# KiCad board register-motherboard - Copy.kicad_pcb (continued)
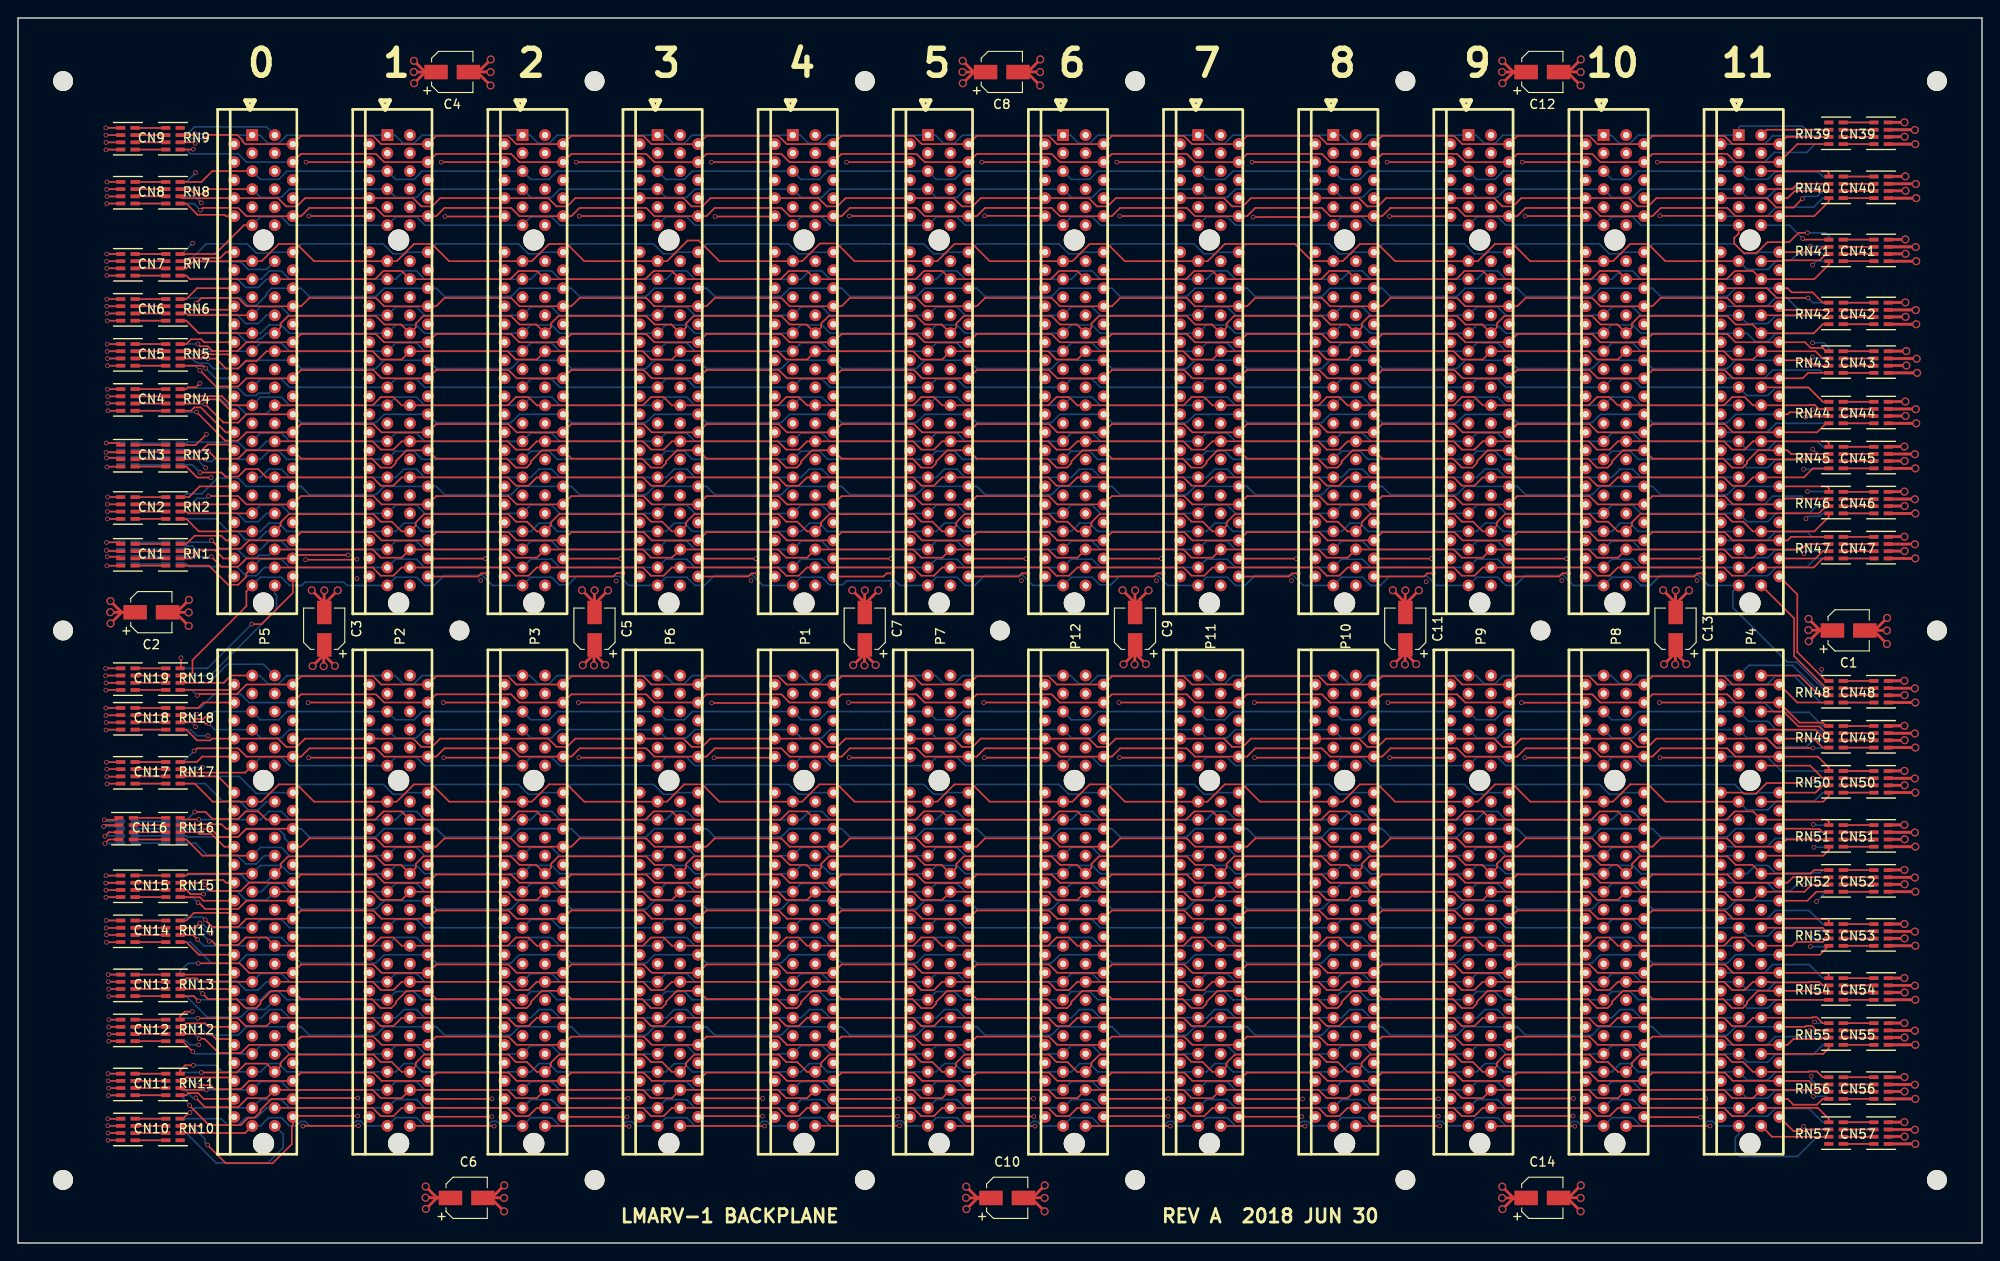
[diagram p0: board, top side]
## Footprints (pads in the part's own frame, mm; a bottom-side part is the same pattern mirrored in y, then rotated)
2pci_express_slot
  round 2.35 hole 2.35 unplated: (0,0) (40.3,0) (60,0) (100.3,0)
  rect 1.3x1.3 hole 0.7: 1(-11.65,-1.25)
  round 1.3 hole 0.7: 2(-10.65,-3.25) 3(-9.65,-1.25) 4(-8.65,-3.25) 5(-7.65,-1.25) 6(-6.65,-3.25) 7(-5.65,-1.25) 8(-4.65,-3.25) 9(-3.65,-1.25) 10(-2.65,-3.25) 11(-1.65,-1.25) 12(1.35,-3.25) 13(2.35,-1.25) 14(3.35,-3.25) 15(4.35,-1.25) 16(5.35,-3.25) 17(6.35,-1.25) 18(7.35,-3.25) 19(8.35,-1.25) 20(9.35,-3.25) 21(10.35,-1.25) 22(11.35,-3.25) 23(12.35,-1.25) 24(13.35,-3.25) 25(14.35,-1.25) 26(15.35,-3.25) 27(16.35,-1.25) 28(17.35,-3.25) 29(18.35,-1.25) 30(19.35,-3.25) 31(20.35,-1.25) 32(21.35,-3.25) 33(22.35,-1.25) 34(23.35,-3.25) 35(24.35,-1.25) 36(25.35,-3.25) 37(26.35,-1.25) 38(27.35,-3.25) 39(28.35,-1.25) 40(29.35,-3.25) 41(30.35,-1.25) 42(31.35,-3.25) 43(32.35,-1.25) 44(33.35,-3.25) 45(34.35,-1.25) 46(35.35,-3.25) 47(36.35,-1.25) 48(37.35,-3.25) 49(38.35,-1.25) 50(48.35,-1.25) 51(49.35,-3.25) 52(50.35,-1.25) 53(51.35,-3.25) 54(52.35,-1.25) 55(53.35,-3.25) 56(54.35,-1.25) 57(55.35,-3.25) 58(56.35,-1.25) 59(57.35,-3.25) 60(58.35,-1.25) 61(61.35,-3.25) 62(62.35,-1.25) 63(63.35,-3.25) 64(64.35,-1.25) 65(65.35,-3.25) 66(66.35,-1.25) 67(67.35,-3.25) 68(68.35,-1.25) 69(69.35,-3.25) 70(70.35,-1.25) 71(71.35,-3.25) 72(72.35,-1.25) 73(73.35,-3.25) 74(74.35,-1.25) 75(75.35,-3.25) 76(76.35,-1.25) 77(77.35,-3.25) 78(78.35,-1.25) 79(79.35,-3.25) 80(80.35,-1.25) 81(81.35,-3.25) 82(82.35,-1.25) 83(83.35,-3.25) 84(84.35,-1.25) 85(85.35,-3.25) 86(86.35,-1.25) 87(87.35,-3.25) 88(88.35,-1.25) 89(89.35,-3.25) 90(90.35,-1.25) 91(91.35,-3.25) 92(92.35,-1.25) 93(93.35,-3.25) 94(94.35,-1.25) 95(95.35,-3.25) 96(96.35,-1.25) 97(97.35,-3.25) 98(98.35,-1.25) 99(-11.65,1.25) 100(-10.65,3.25) 101(-9.65,1.25) 102(-8.65,3.25) 103(-7.65,1.25) 104(-6.65,3.25) 105(-5.65,1.25) 106(-4.65,3.25) 107(-3.65,1.25) 108(-2.65,3.25) 109(-1.65,1.25) 110(1.35,3.25) 111(2.35,1.25) 112(3.35,3.25) 113(4.35,1.25) 114(5.35,3.25) 115(6.35,1.25) 116(7.35,3.25) 117(8.35,1.25) 118(9.35,3.25) 119(10.35,1.25) 120(11.35,3.25) 121(12.35,1.25) 122(13.35,3.25) 123(14.35,1.25) 124(15.35,3.25) 125(16.35,1.25) 126(17.35,3.25) 127(18.35,1.25) 128(19.35,3.25) 129(20.35,1.25) 130(21.35,3.25) 131(22.35,1.25) 132(23.35,3.25) 133(24.35,1.25) 134(25.35,3.25) 135(26.35,1.25) 136(27.35,3.25) 137(28.35,1.25) 138(29.35,3.25) 139(30.35,1.25) 140(31.35,3.25) 141(32.35,1.25) 142(33.35,3.25) 143(34.35,1.25) 144(35.35,3.25) 145(36.35,1.25) 146(37.35,3.25) 147(38.35,1.25) 148(48.35,1.25) 149(49.35,3.25) 150(50.35,1.25) 151(51.35,3.25) 152(52.35,1.25) 153(53.35,3.25) 154(54.35,1.25) 155(55.35,3.25) 156(56.35,1.25) 157(57.35,3.25) 158(58.35,1.25) 159(61.35,3.25) 160(62.35,1.25) 161(63.35,3.25) 162(64.35,1.25) 163(65.35,3.25) 164(66.35,1.25) 165(67.35,3.25) 166(68.35,1.25) 167(69.35,3.25) 168(70.35,1.25) 169(71.35,3.25) 170(72.35,1.25) 171(73.35,3.25) 172(74.35,1.25) 173(75.35,3.25) 174(76.35,1.25) 175(77.35,3.25) 176(78.35,1.25) 177(79.35,3.25) 178(80.35,1.25) 179(81.35,3.25) 180(82.35,1.25) 181(83.35,3.25) 182(84.35,1.25) 183(85.35,3.25) 184(86.35,1.25) 185(87.35,3.25) 186(88.35,1.25) 187(89.35,3.25) 188(90.35,1.25) 189(91.35,3.25) 190(92.35,1.25) 191(93.35,3.25) 192(94.35,1.25) 193(95.35,3.25) 194(96.35,1.25) 195(97.35,3.25) 196(98.35,1.25)
CARRAY_8_0612_3.2x1.6mm_Pitch0.8mm
  rect 1x0.4 smd: 1(-0.8,1.2) 2(-0.8,0.4) 3(-0.8,-0.4) 4(-0.8,-1.2) 5(0.8,-1.2) 6(0.8,-0.4) 7(0.8,0.4) 8(0.8,1.2)
CP_Elec_4x4.5
  rect 2.6x1.6 smd: 1(-1.8,0) 2(1.8,0)
MountingHole_2.2mm_M2
  round 2.2 hole 2.2 unplated: (0,0)

## Nets
GND: C1.2 C2.2 C3.2 C4.2 C5.2 C6.2 C7.2 C8.2 C9.2 C10.2 C11.2 C12.2 C13.2 C14.2 CN1.1 CN1.2 CN1.3 CN1.4 CN2.1 CN2.2 CN2.3 CN2.4 CN3.1 CN3.2 CN3.3 CN3.4 CN4.1 CN4.2 CN4.3 CN4.4 CN5.1 CN5.2 CN5.3 CN5.4 CN6.1 CN6.2 CN6.3 CN6.4 CN7.1 CN7.2 CN7.3 CN7.4 CN8.1 CN8.2 CN8.3 CN8.4 CN9.1 CN9.2 CN9.3 CN9.4 CN10.1 CN10.2 CN10.3 CN10.4 CN11.1 CN11.2 CN11.3 CN11.4 CN12.1 CN12.2 CN12.3 CN12.4 CN13.1 CN13.2 CN13.3 CN13.4 CN14.1 CN14.2 CN14.3 CN14.4 CN15.1 CN15.2 CN15.3 CN15.4 CN16.1 CN16.2 CN16.3 CN16.4 CN17.1 CN17.2 CN17.3 CN17.4 CN18.1 CN18.2 CN18.3 CN18.4 CN19.1 CN19.2 CN19.3 CN19.4 CN20.1 CN20.2 CN20.3 CN20.4 CN21.1 CN21.2 CN21.3 CN21.4 CN22.1 CN22.2 CN22.3 CN22.4 CN23.1 CN23.2 CN23.3 CN23.4 CN24.1 CN24.2 CN24.3 CN24.4 CN25.1 CN25.2 CN25.3 CN25.4 CN26.1 CN26.2 CN26.3 CN26.4 CN27.1 CN27.2 CN27.3 CN27.4 CN28.1 CN28.2 CN28.3 CN28.4 CN29.1 CN29.2 CN29.3 CN29.4 CN30.1 CN30.2 CN30.3 CN30.4 CN31.1 CN31.2 CN31.3 CN31.4 CN32.1 CN32.2 CN32.3 CN32.4 CN33.1 CN33.2 CN33.3 CN33.4 CN34.1 CN34.2 CN34.3 CN34.4 CN35.1 CN35.2 CN35.3 CN35.4 CN36.1 CN36.2 CN36.3 CN36.4 CN37.1 CN37.2 CN37.3 CN37.4 CN38.1 CN38.2 CN38.3 CN38.4 CN39.1 CN39.2 CN39.3 CN39.4 CN40.1 CN40.2 CN40.3 CN40.4 CN41.1 CN41.2 CN41.3 CN41.4 CN42.1 CN42.2 CN42.3 CN42.4 CN43.1 CN43.2 CN43.3 CN43.4 CN44.1 CN44.2 CN44.3 CN44.4 CN45.1 CN45.2 CN45.3 CN45.4 CN46.1 CN46.2 CN46.3 CN46.4 CN47.1 CN47.2 CN47.3 CN47.4 CN48.1 CN48.2 CN48.3 CN48.4 CN49.1 CN49.2 CN49.3 CN49.4 CN50.1 CN50.2 CN50.3 CN50.4 CN51.1 CN51.2 CN51.3 CN51.4 CN52.1 CN52.2 CN52.3 CN52.4 CN53.1 CN53.2 CN53.3 CN53.4 CN54.1 CN54.2 CN54.3 CN54.4 CN55.1 CN55.2 CN55.3 CN55.4 CN56.1 CN56.2 CN56.3 CN56.4 CN57.1 CN57.2 CN57.3 CN57.4 CN58.1 CN58.2 CN58.3 CN58.4 CN59.1 CN59.2 CN59.3 CN59.4 CN60.1 CN60.2 CN60.3 CN60.4 CN61.1 CN61.2 CN61.3 CN61.4 CN62.1 CN62.2 CN62.3 CN62.4 CN63.1 CN63.2 CN63.3 CN63.4 CN64.1 CN64.2 CN64.3 CN64.4 CN65.1 CN65.2 CN65.3 CN65.4 CN66.1 CN66.2 CN66.3 CN66.4 CN67.1 CN67.2 CN67.3 CN67.4 CN68.1 CN68.2 CN68.3 CN68.4 CN69.1 CN69.2 CN69.3 CN69.4 CN70.1 CN70.2 CN70.3 CN70.4 CN71.1 CN71.2 CN71.3 CN71.4 CN72.1 CN72.2 CN72.3 CN72.4 CN73.1 CN73.2 CN73.3 CN73.4 CN74.1 CN74.2 CN74.3 CN74.4 CN75.1 CN75.2 CN75.3 CN75.4 CN76.1 CN76.2 CN76.3 CN76.4 P1.3 P1.9 P1.14 P1.20 P1.25 P1.31 P1.36 P1.42 P1.52 P1.58 P1.63 P1.69 P1.74 P1.80 P1.85 P1.91 P1.101 P1.107 P1.112 P1.118 P1.123 P1.129 P1.134 P1.140 P1.150 P1.156 P1.161 P1.167 P1.172 P1.178 P1.183 P1.189 P2.3 P2.9 P2.14 P2.20 P2.25 P2.31 P2.36 P2.42 P2.52 P2.58 P2.63 P2.69 P2.74 P2.80 P2.85 P2.91 P2.101 P2.107 P2.112 P2.118 P2.123 P2.129 P2.134 P2.140 P2.150 P2.156 P2.161 P2.167 P2.172 P2.178 P2.183 P2.189 P3.3 P3.9 P3.14 P3.20 P3.25 P3.31 P3.36 P3.42 P3.52 P3.58 P3.63 P3.69 P3.74 P3.80 P3.85 P3.91 P3.101 P3.107 P3.112 P3.118 P3.123 P3.129 P3.134 P3.140 P3.150 P3.156 P3.161 P3.167 P3.172 P3.178 P3.183 P3.189 P4.3 P4.9 P4.14 P4.20 P4.25 P4.31 P4.36 P4.42 P4.52 P4.58 P4.63 P4.69 P4.74 P4.80 P4.85 P4.91 P4.101 P4.107 P4.112 P4.118 P4.123 P4.129 P4.134 P4.140 P4.150 P4.156 P4.161 P4.167 P4.172 P4.178 P4.183 P4.189 P5.3 P5.9 P5.14 P5.20 P5.25 P5.31 P5.36 P5.42 P5.52 P5.58 P5.63 P5.69 P5.74 P5.80 P5.85 P5.91 P5.101 P5.107 P5.112 P5.118 P5.123 P5.129 P5.134 P5.140 P5.150 P5.156 P5.161 P5.167 P5.172 P5.178 P5.183 P5.189 P6.3 P6.9 P6.14 P6.20 P6.25 P6.31 P6.36 P6.42 P6.52 P6.58 P6.63 P6.69 P6.74 P6.80 P6.85 P6.91 P6.101 P6.107 P6.112 P6.118 P6.123 P6.129 P6.134 P6.140 P6.150 P6.156 P6.161 P6.167 P6.172 P6.178 P6.183 P6.189 P7.3 P7.9 P7.14 P7.20 P7.25 P7.31 P7.36 P7.42 P7.52 P7.58 P7.63 P7.69 P7.74 P7.80 P7.85 P7.91 P7.101 P7.107 P7.112 P7.118 P7.123 P7.129 P7.134 P7.140 P7.150 P7.156 P7.161 P7.167 P7.172 P7.178 P7.183 P7.189 P8.3 P8.9 P8.14 P8.20 P8.25 P8.31 P8.36 P8.42 P8.52 P8.58 P8.63 P8.69 P8.74 P8.80 P8.85 P8.91 P8.101 P8.107 P8.112 P8.118 P8.123 P8.129 P8.134 P8.140 P8.150 P8.156 P8.161 P8.167 P8.172 P8.178 P8.183 P8.189 P9.3 P9.9 P9.14 P9.20 P9.25 P9.31 P9.36 P9.42 P9.52 P9.58 P9.63 P9.69 P9.74 P9.80 P9.85 P9.91 P9.101 P9.107 P9.112 P9.118 P9.123 P9.129 P9.134 P9.140 P9.150 P9.156 P9.161 P9.167 P9.172 P9.178 P9.183 P9.189 P10.3 P10.9 P10.14 P10.20 P10.25 P10.31 P10.36 P10.42 P10.52 P10.58 P10.63 P10.69 P10.74 P10.80 P10.85 P10.91 P10.101 P10.107 P10.112 P10.118 P10.123 P10.129 P10.134 P10.140 P10.150 P10.156 P10.161 P10.167 P10.172 P10.178 P10.183 P10.189 P11.3 P11.9 P11.14 P11.20 P11.25 P11.31 P11.36 P11.42 P11.52 P11.58 P11.63 P11.69 P11.74 P11.80 P11.85 P11.91 P11.101 P11.107 P11.112 P11.118 P11.123 P11.129 P11.134 P11.140 P11.150 P11.156 P11.161 P11.167 P11.172 P11.178 P11.183 P11.189 P12.3 P12.9 P12.14 P12.20 P12.25 P12.31 P12.36 P12.42 P12.52 P12.58 P12.63 P12.69 P12.74 P12.80 P12.85 P12.91 P12.101 P12.107 P12.112 P12.118 P12.123 P12.129 P12.134 P12.140 P12.150 P12.156 P12.161 P12.167 P12.172 P12.178 P12.183 P12.189
VCC: C1.1 C2.1 C3.1 C4.1 C5.1 C6.1 C7.1 C8.1 C9.1 C10.1 C11.1 C12.1 C13.1 C14.1 P1.6 P1.17 P1.28 P1.39 P1.55 P1.66 P1.77 P1.88 P1.104 P1.115 P1.126 P1.137 P1.153 P1.164 P1.175 P1.186 P2.6 P2.17 P2.28 P2.39 P2.55 P2.66 P2.77 P2.88 P2.104 P2.115 P2.126 P2.137 P2.153 P2.164 P2.175 P2.186 P3.6 P3.17 P3.28 P3.39 P3.55 P3.66 P3.77 P3.88 P3.104 P3.115 P3.126 P3.137 P3.153 P3.164 P3.175 P3.186 P4.6 P4.17 P4.28 P4.39 P4.55 P4.66 P4.77 P4.88 P4.104 P4.115 P4.126 P4.137 P4.153 P4.164 P4.175 P4.186 P5.6 P5.17 P5.28 P5.39 P5.55 P5.66 P5.77 P5.88 P5.104 P5.115 P5.126 P5.137 P5.153 P5.164 P5.175 P5.186 P6.6 P6.17 P6.28 P6.39 P6.55 P6.66 P6.77 P6.88 P6.104 P6.115 P6.126 P6.137 P6.153 P6.164 P6.175 P6.186 P7.6 P7.17 P7.28 P7.39 P7.55 P7.66 P7.77 P7.88 P7.104 P7.115 P7.126 P7.137 P7.153 P7.164 P7.175 P7.186 P8.6 P8.17 P8.28 P8.39 P8.55 P8.66 P8.77 P8.88 P8.104 P8.115 P8.126 P8.137 P8.153 P8.164 P8.175 P8.186 P9.6 P9.17 P9.28 P9.39 P9.55 P9.66 P9.77 P9.88 P9.104 P9.115 P9.126 P9.137 P9.153 P9.164 P9.175 P9.186 P10.6 P10.17 P10.28 P10.39 P10.55 P10.66 P10.77 P10.88 P10.104 P10.115 P10.126 P10.137 P10.153 P10.164 P10.175 P10.186 P11.6 P11.17 P11.28 P11.39 P11.55 P11.66 P11.77 P11.88 P11.104 P11.115 P11.126 P11.137 P11.153 P11.164 P11.175 P11.186 P12.6 P12.17 P12.28 P12.39 P12.55 P12.66 P12.77 P12.88 P12.104 P12.115 P12.126 P12.137 P12.153 P12.164 P12.175 P12.186
/BOOT_CLK: P1.194 P2.194 P3.194 P4.194 P5.194 P6.194 P7.194 P8.194 P9.194 P10.194 P11.194 P12.194 RN29.5 RN57.5
/f[0]: P1.188 P2.188 P3.188 P4.188 P5.188 P6.188 P7.188 P8.188 P9.188 P10.188 P11.188 P12.188 RN31.8 RN55.8
/f[1]: P1.190 P2.190 P3.190 P4.190 P5.190 P6.190 P7.190 P8.190 P9.190 P10.190 P11.190 P12.190 RN30.5 RN56.5
/f[2]: P1.191 P2.191 P3.191 P4.191 P5.191 P6.191 P7.191 P8.191 P9.191 P10.191 P11.191 P12.191 RN30.6 RN56.6
/f[3]: P1.192 P2.192 P3.192 P4.192 P5.192 P6.192 P7.192 P8.192 P9.192 P10.192 P11.192 P12.192 RN30.7 RN56.7
/nc0: P1.133 P2.133 P3.133 P4.133 P5.133 P6.133 P7.133 P8.133 P9.133 P10.133 P11.133 P12.133 RN22.7 RN45.7
/nc1: P1.135 P2.135 P3.135 P4.135 P5.135 P6.135 P7.135 P8.135 P9.135 P10.135 P11.135 P12.135 RN22.8 RN45.8
/nc2: P1.136 P2.136 P3.136 P4.136 P5.136 P6.136 P7.136 P8.136 P9.136 P10.136 P11.136 P12.136 RN21.5 RN46.5
/nc3: P1.138 P2.138 P3.138 P4.138 P5.138 P6.138 P7.138 P8.138 P9.138 P10.138 P11.138 P12.138 RN21.6 RN46.6
/nc4: P1.139 P2.139 P3.139 P4.139 P5.139 P6.139 P7.139 P8.139 P9.139 P10.139 P11.139 P12.139 RN21.7 RN46.7
/nc5: P1.141 P2.141 P3.141 P4.141 P5.141 P6.141 P7.141 P8.141 P9.141 P10.141 P11.141 P12.141 RN21.8 RN46.8
/nc6: P1.142 P2.142 P3.142 P4.142 P5.142 P6.142 P7.142 P8.142 P9.142 P10.142 P11.142 P12.142 RN20.5 RN47.5
/nc7: P1.94 P2.94 P3.94 P4.94 P5.94 P6.94 P7.94 P8.94 P9.94 P10.94 P11.94 P12.94 RN11.6 RN75.6
/nc8: P1.95 P2.95 P3.95 P4.95 P5.95 P6.95 P7.95 P8.95 P9.95 P10.95 P11.95 P12.95 RN11.5 RN75.5
/nc9: P1.96 P2.96 P3.96 P4.96 P5.96 P6.96 P7.96 P8.96 P9.96 P10.96 P11.96 P12.96 RN10.8 RN76.8
/nc10: P1.97 P2.97 P3.97 P4.97 P5.97 P6.97 P7.97 P8.97 P9.97 P10.97 P11.97 P12.97 RN10.7 RN76.7
/nc11: P1.98 P2.98 P3.98 P4.98 P5.98 P6.98 P7.98 P8.98 P9.98 P10.98 P11.98 P12.98 RN10.6 RN76.6
/nc12: P1.185 P2.185 P3.185 P4.185 P5.185 P6.185 P7.185 P8.185 P9.185 P10.185 P11.185 P12.185 RN31.6 RN55.6
/rd[0]: P1.71 P2.71 P3.71 P4.71 P5.71 P6.71 P7.71 P8.71 P9.71 P10.71 P11.71 P12.71 RN15.7 RN71.7
/rd[1]: P1.70 P2.70 P3.70 P4.70 P5.70 P6.70 P7.70 P8.70 P9.70 P10.70 P11.70 P12.70 RN15.8 RN71.8
/rd[2]: P1.68 P2.68 P3.68 P4.68 P5.68 P6.68 P7.68 P8.68 P9.68 P10.68 P11.68 P12.68 RN16.5 RN70.5
/rd[3]: P1.67 P2.67 P3.67 P4.67 P5.67 P6.67 P7.67 P8.67 P9.67 P10.67 P11.67 P12.67 RN16.6 RN70.6
/rd[4]: P1.65 P2.65 P3.65 P4.65 P5.65 P6.65 P7.65 P8.65 P9.65 P10.65 P11.65 P12.65 RN16.7 RN70.7
/rd[5]: P1.64 P2.64 P3.64 P4.64 P5.64 P6.64 P7.64 P8.64 P9.64 P10.64 P11.64 P12.64 RN16.8 RN70.8
/rd[6]: P1.62 P2.62 P3.62 P4.62 P5.62 P6.62 P7.62 P8.62 P9.62 P10.62 P11.62 P12.62 RN17.5 RN69.5
/rd[7]: P1.61 P2.61 P3.61 P4.61 P5.61 P6.61 P7.61 P8.61 P9.61 P10.61 P11.61 P12.61 RN17.6 RN69.6
/rd[8]: P1.60 P2.60 P3.60 P4.60 P5.60 P6.60 P7.60 P8.60 P9.60 P10.60 P11.60 P12.60 RN17.7 RN69.7
/rd[9]: P1.59 P2.59 P3.59 P4.59 P5.59 P6.59 P7.59 P8.59 P9.59 P10.59 P11.59 P12.59 RN17.8 RN69.8
/rd[10]: P1.57 P2.57 P3.57 P4.57 P5.57 P6.57 P7.57 P8.57 P9.57 P10.57 P11.57 P12.57 RN18.5 RN68.5
/rd[11]: P1.56 P2.56 P3.56 P4.56 P5.56 P6.56 P7.56 P8.56 P9.56 P10.56 P11.56 P12.56 RN18.6 RN68.6
/rd[12]: P1.54 P2.54 P3.54 P4.54 P5.54 P6.54 P7.54 P8.54 P9.54 P10.54 P11.54 P12.54 RN18.7 RN68.7
/rd[13]: P1.53 P2.53 P3.53 P4.53 P5.53 P6.53 P7.53 P8.53 P9.53 P10.53 P11.53 P12.53 RN18.8 RN68.8
/rd[14]: P1.51 P2.51 P3.51 P4.51 P5.51 P6.51 P7.51 P8.51 P9.51 P10.51 P11.51 P12.51 RN19.5 RN67.5
/rd[15]: P1.50 P2.50 P3.50 P4.50 P5.50 P6.50 P7.50 P8.50 P9.50 P10.50 P11.50 P12.50 RN19.6 RN67.6
/rd[16]: P1.22 P2.22 P3.22 P4.22 P5.22 P6.22 P7.22 P8.22 P9.22 P10.22 P11.22 P12.22 RN5.8 RN62.8
/rd[17]: P1.21 P2.21 P3.21 P4.21 P5.21 P6.21 P7.21 P8.21 P9.21 P10.21 P11.21 P12.21 RN6.5 RN61.5
/rd[18]: P1.19 P2.19 P3.19 P4.19 P5.19 P6.19 P7.19 P8.19 P9.19 P10.19 P11.19 P12.19 RN6.6 RN61.6
/rd[19]: P1.18 P2.18 P3.18 P4.18 P5.18 P6.18 P7.18 P8.18 P9.18 P10.18 P11.18 P12.18 RN6.7 RN61.7
/rd[20]: P1.16 P2.16 P3.16 P4.16 P5.16 P6.16 P7.16 P8.16 P9.16 P10.16 P11.16 P12.16 RN6.8 RN61.8
/rd[21]: P1.15 P2.15 P3.15 P4.15 P5.15 P6.15 P7.15 P8.15 P9.15 P10.15 P11.15 P12.15 RN7.5 RN60.5
/rd[22]: P1.13 P2.13 P3.13 P4.13 P5.13 P6.13 P7.13 P8.13 P9.13 P10.13 P11.13 P12.13 RN7.6 RN60.6
/rd[23]: P1.12 P2.12 P3.12 P4.12 P5.12 P6.12 P7.12 P8.12 P9.12 P10.12 P11.12 P12.12 RN7.7 RN60.7
/rd[24]: P1.11 P2.11 P3.11 P4.11 P5.11 P6.11 P7.11 P8.11 P9.11 P10.11 P11.11 P12.11 RN7.8 RN60.8
/rd[25]: P1.10 P2.10 P3.10 P4.10 P5.10 P6.10 P7.10 P8.10 P9.10 P10.10 P11.10 P12.10 RN8.5 RN59.5
/rd[26]: P1.8 P2.8 P3.8 P4.8 P5.8 P6.8 P7.8 P8.8 P9.8 P10.8 P11.8 P12.8 RN8.6 RN59.6
/rd[27]: P1.7 P2.7 P3.7 P4.7 P5.7 P6.7 P7.7 P8.7 P9.7 P10.7 P11.7 P12.7 RN8.7 RN59.7
/rd[28]: P1.5 P2.5 P3.5 P4.5 P5.5 P6.5 P7.5 P8.5 P9.5 P10.5 P11.5 P12.5 RN8.8 RN59.8
/rd[29]: P1.4 P2.4 P3.4 P4.4 P5.4 P6.4 P7.4 P8.4 P9.4 P10.4 P11.4 P12.4 RN9.5 RN58.5
/rd[30]: P1.2 P2.2 P3.2 P4.2 P5.2 P6.2 P7.2 P8.2 P9.2 P10.2 P11.2 P12.2 RN9.6 RN58.6
/rd[31]: P1.1 P2.1 P3.1 P4.1 P5.1 P6.1 P7.1 P8.1 P9.1 P10.1 P11.1 P12.1 RN9.7 RN58.7
/rda[0]: P1.45 P2.45 P3.45 P4.45 P5.45 P6.45 P7.45 P8.45 P9.45 P10.45 P11.45 P12.45 RN1.7 RN66.7
/rda[1]: P1.46 P2.46 P3.46 P4.46 P5.46 P6.46 P7.46 P8.46 P9.46 P10.46 P11.46 P12.46 RN1.6 RN66.6
/rda[2]: P1.47 P2.47 P3.47 P4.47 P5.47 P6.47 P7.47 P8.47 P9.47 P10.47 P11.47 P12.47 RN1.5 RN66.5
/rda[3]: P1.48 P2.48 P3.48 P4.48 P5.48 P6.48 P7.48 P8.48 P9.48 P10.48 P11.48 P12.48 RN19.8 RN67.8
/rda[4]: P1.49 P2.49 P3.49 P4.49 P5.49 P6.49 P7.49 P8.49 P9.49 P10.49 P11.49 P12.49 RN19.7 RN67.7
/rs1[0]: P1.176 P2.176 P3.176 P4.176 P5.176 P6.176 P7.176 P8.176 P9.176 P10.176 P11.176 P12.176 RN33.7 RN53.7
/rs1[1]: P1.174 P2.174 P3.174 P4.174 P5.174 P6.174 P7.174 P8.174 P9.174 P10.174 P11.174 P12.174 RN33.6 RN53.6
/rs1[2]: P1.173 P2.173 P3.173 P4.173 P5.173 P6.173 P7.173 P8.173 P9.173 P10.173 P11.173 P12.173 RN33.5 RN53.5
/rs1[3]: P1.171 P2.171 P3.171 P4.171 P5.171 P6.171 P7.171 P8.171 P9.171 P10.171 P11.171 P12.171 RN34.8 RN52.8
/rs1[4]: P1.170 P2.170 P3.170 P4.170 P5.170 P6.170 P7.170 P8.170 P9.170 P10.170 P11.170 P12.170 RN34.7 RN52.7
/rs1[5]: P1.169 P2.169 P3.169 P4.169 P5.169 P6.169 P7.169 P8.169 P9.169 P10.169 P11.169 P12.169 RN34.6 RN52.6
/rs1[6]: P1.168 P2.168 P3.168 P4.168 P5.168 P6.168 P7.168 P8.168 P9.168 P10.168 P11.168 P12.168 RN34.5 RN52.5
/rs1[7]: P1.166 P2.166 P3.166 P4.166 P5.166 P6.166 P7.166 P8.166 P9.166 P10.166 P11.166 P12.166 RN35.8 RN51.8
/rs1[8]: P1.165 P2.165 P3.165 P4.165 P5.165 P6.165 P7.165 P8.165 P9.165 P10.165 P11.165 P12.165 RN35.7 RN51.7
/rs1[9]: P1.163 P2.163 P3.163 P4.163 P5.163 P6.163 P7.163 P8.163 P9.163 P10.163 P11.163 P12.163 RN35.6 RN51.6
/rs1[10]: P1.162 P2.162 P3.162 P4.162 P5.162 P6.162 P7.162 P8.162 P9.162 P10.162 P11.162 P12.162 RN35.5 RN51.5
/rs1[11]: P1.160 P2.160 P3.160 P4.160 P5.160 P6.160 P7.160 P8.160 P9.160 P10.160 P11.160 P12.160 RN36.8 RN50.8
/rs1[12]: P1.159 P2.159 P3.159 P4.159 P5.159 P6.159 P7.159 P8.159 P9.159 P10.159 P11.159 P12.159 RN36.7 RN50.7
/rs1[13]: P1.158 P2.158 P3.158 P4.158 P5.158 P6.158 P7.158 P8.158 P9.158 P10.158 P11.158 P12.158 RN36.6 RN50.6
/rs1[14]: P1.157 P2.157 P3.157 P4.157 P5.157 P6.157 P7.157 P8.157 P9.157 P10.157 P11.157 P12.157 RN36.5 RN50.5
/rs1[15]: P1.155 P2.155 P3.155 P4.155 P5.155 P6.155 P7.155 P8.155 P9.155 P10.155 P11.155 P12.155 RN37.8 RN49.8
/rs1[16]: P1.120 P2.120 P3.120 P4.120 P5.120 P6.120 P7.120 P8.120 P9.120 P10.120 P11.120 P12.120 RN24.5 RN43.5
/rs1[17]: P1.119 P2.119 P3.119 P4.119 P5.119 P6.119 P7.119 P8.119 P9.119 P10.119 P11.119 P12.119 RN25.8 RN42.8
/rs1[18]: P1.117 P2.117 P3.117 P4.117 P5.117 P6.117 P7.117 P8.117 P9.117 P10.117 P11.117 P12.117 RN25.7 RN42.7
/rs1[19]: P1.116 P2.116 P3.116 P4.116 P5.116 P6.116 P7.116 P8.116 P9.116 P10.116 P11.116 P12.116 RN25.6 RN42.6
/rs1[20]: P1.114 P2.114 P3.114 P4.114 P5.114 P6.114 P7.114 P8.114 P9.114 P10.114 P11.114 P12.114 RN25.5 RN42.5
/rs1[21]: P1.113 P2.113 P3.113 P4.113 P5.113 P6.113 P7.113 P8.113 P9.113 P10.113 P11.113 P12.113 RN26.8 RN41.8
/rs1[22]: P1.111 P2.111 P3.111 P4.111 P5.111 P6.111 P7.111 P8.111 P9.111 P10.111 P11.111 P12.111 RN26.7 RN41.7
/rs1[23]: P1.110 P2.110 P3.110 P4.110 P5.110 P6.110 P7.110 P8.110 P9.110 P10.110 P11.110 P12.110 RN26.6 RN41.6
/rs1[24]: P1.109 P2.109 P3.109 P4.109 P5.109 P6.109 P7.109 P8.109 P9.109 P10.109 P11.109 P12.109 RN26.5 RN41.5
/rs1[25]: P1.108 P2.108 P3.108 P4.108 P5.108 P6.108 P7.108 P8.108 P9.108 P10.108 P11.108 P12.108 RN27.8 RN40.8
/rs1[26]: P1.106 P2.106 P3.106 P4.106 P5.106 P6.106 P7.106 P8.106 P9.106 P10.106 P11.106 P12.106 RN27.7 RN40.7
/rs1[27]: P1.105 P2.105 P3.105 P4.105 P5.105 P6.105 P7.105 P8.105 P9.105 P10.105 P11.105 P12.105 RN27.6 RN40.6
/rs1[28]: P1.103 P2.103 P3.103 P4.103 P5.103 P6.103 P7.103 P8.103 P9.103 P10.103 P11.103 P12.103 RN27.5 RN40.5
/rs1[29]: P1.102 P2.102 P3.102 P4.102 P5.102 P6.102 P7.102 P8.102 P9.102 P10.102 P11.102 P12.102 RN28.8 RN39.8
/rs1[30]: P1.100 P2.100 P3.100 P4.100 P5.100 P6.100 P7.100 P8.100 P9.100 P10.100 P11.100 P12.100 RN28.7 RN39.7
/rs1[31]: P1.99 P2.99 P3.99 P4.99 P5.99 P6.99 P7.99 P8.99 P9.99 P10.99 P11.99 P12.99 RN28.6 RN39.6
/rs1a[0]: P1.154 P2.154 P3.154 P4.154 P5.154 P6.154 P7.154 P8.154 P9.154 P10.154 P11.154 P12.154 RN37.7 RN49.7
/rs1a[1]: P1.152 P2.152 P3.152 P4.152 P5.152 P6.152 P7.152 P8.152 P9.152 P10.152 P11.152 P12.152 RN37.6 RN49.6
/rs1a[2]: P1.151 P2.151 P3.151 P4.151 P5.151 P6.151 P7.151 P8.151 P9.151 P10.151 P11.151 P12.151 RN37.5 RN49.5
/rs1a[3]: P1.149 P2.149 P3.149 P4.149 P5.149 P6.149 P7.149 P8.149 P9.149 P10.149 P11.149 P12.149 RN38.8 RN48.8
/rs1a[4]: P1.148 P2.148 P3.148 P4.148 P5.148 P6.148 P7.148 P8.148 P9.148 P10.148 P11.148 P12.148 RN38.7 RN48.7
/rs2[0]: P1.93 P2.93 P3.93 P4.93 P5.93 P6.93 P7.93 P8.93 P9.93 P10.93 P11.93 P12.93 RN11.7 RN75.7
/rs2[1]: P1.92 P2.92 P3.92 P4.92 P5.92 P6.92 P7.92 P8.92 P9.92 P10.92 P11.92 P12.92 RN11.8 RN75.8
/rs2[2]: P1.90 P2.90 P3.90 P4.90 P5.90 P6.90 P7.90 P8.90 P9.90 P10.90 P11.90 P12.90 RN12.5 RN74.5
/rs2[3]: P1.89 P2.89 P3.89 P4.89 P5.89 P6.89 P7.89 P8.89 P9.89 P10.89 P11.89 P12.89 RN12.6 RN74.6
/rs2[4]: P1.87 P2.87 P3.87 P4.87 P5.87 P6.87 P7.87 P8.87 P9.87 P10.87 P11.87 P12.87 RN12.7 RN74.7
/rs2[5]: P1.86 P2.86 P3.86 P4.86 P5.86 P6.86 P7.86 P8.86 P9.86 P10.86 P11.86 P12.86 RN12.8 RN74.8
/rs2[6]: P1.84 P2.84 P3.84 P4.84 P5.84 P6.84 P7.84 P8.84 P9.84 P10.84 P11.84 P12.84 RN13.5 RN73.5
/rs2[7]: P1.83 P2.83 P3.83 P4.83 P5.83 P6.83 P7.83 P8.83 P9.83 P10.83 P11.83 P12.83 RN13.6 RN73.6
/rs2[8]: P1.82 P2.82 P3.82 P4.82 P5.82 P6.82 P7.82 P8.82 P9.82 P10.82 P11.82 P12.82 RN13.7 RN73.7
/rs2[9]: P1.81 P2.81 P3.81 P4.81 P5.81 P6.81 P7.81 P8.81 P9.81 P10.81 P11.81 P12.81 RN13.8 RN73.8
/rs2[10]: P1.79 P2.79 P3.79 P4.79 P5.79 P6.79 P7.79 P8.79 P9.79 P10.79 P11.79 P12.79 RN14.5 RN72.5
/rs2[11]: P1.78 P2.78 P3.78 P4.78 P5.78 P6.78 P7.78 P8.78 P9.78 P10.78 P11.78 P12.78 RN14.6 RN72.6
/rs2[12]: P1.76 P2.76 P3.76 P4.76 P5.76 P6.76 P7.76 P8.76 P9.76 P10.76 P11.76 P12.76 RN14.7 RN72.7
/rs2[13]: P1.75 P2.75 P3.75 P4.75 P5.75 P6.75 P7.75 P8.75 P9.75 P10.75 P11.75 P12.75 RN14.8 RN72.8
/rs2[14]: P1.73 P2.73 P3.73 P4.73 P5.73 P6.73 P7.73 P8.73 P9.73 P10.73 P11.73 P12.73 RN15.5 RN71.5
/rs2[15]: P1.72 P2.72 P3.72 P4.72 P5.72 P6.72 P7.72 P8.72 P9.72 P10.72 P11.72 P12.72 RN15.6 RN71.6
/rs2[16]: P1.44 P2.44 P3.44 P4.44 P5.44 P6.44 P7.44 P8.44 P9.44 P10.44 P11.44 P12.44 RN1.8 RN66.8
/rs2[17]: P1.43 P2.43 P3.43 P4.43 P5.43 P6.43 P7.43 P8.43 P9.43 P10.43 P11.43 P12.43 RN2.5 RN65.5
/rs2[18]: P1.41 P2.41 P3.41 P4.41 P5.41 P6.41 P7.41 P8.41 P9.41 P10.41 P11.41 P12.41 RN2.6 RN65.6
/rs2[19]: P1.40 P2.40 P3.40 P4.40 P5.40 P6.40 P7.40 P8.40 P9.40 P10.40 P11.40 P12.40 RN2.7 RN65.7
/rs2[20]: P1.38 P2.38 P3.38 P4.38 P5.38 P6.38 P7.38 P8.38 P9.38 P10.38 P11.38 P12.38 RN2.8 RN65.8
/rs2[21]: P1.37 P2.37 P3.37 P4.37 P5.37 P6.37 P7.37 P8.37 P9.37 P10.37 P11.37 P12.37 RN3.5 RN64.5
/rs2[22]: P1.35 P2.35 P3.35 P4.35 P5.35 P6.35 P7.35 P8.35 P9.35 P10.35 P11.35 P12.35 RN3.6 RN64.6
/rs2[23]: P1.34 P2.34 P3.34 P4.34 P5.34 P6.34 P7.34 P8.34 P9.34 P10.34 P11.34 P12.34 RN3.7 RN64.7
/rs2[24]: P1.33 P2.33 P3.33 P4.33 P5.33 P6.33 P7.33 P8.33 P9.33 P10.33 P11.33 P12.33 RN3.8 RN64.8
/rs2[25]: P1.32 P2.32 P3.32 P4.32 P5.32 P6.32 P7.32 P8.32 P9.32 P10.32 P11.32 P12.32 RN4.5 RN63.5
/rs2[26]: P1.30 P2.30 P3.30 P4.30 P5.30 P6.30 P7.30 P8.30 P9.30 P10.30 P11.30 P12.30 RN4.6 RN63.6
/rs2[27]: P1.29 P2.29 P3.29 P4.29 P5.29 P6.29 P7.29 P8.29 P9.29 P10.29 P11.29 P12.29 RN4.7 RN63.7
/rs2[28]: P1.27 P2.27 P3.27 P4.27 P5.27 P6.27 P7.27 P8.27 P9.27 P10.27 P11.27 P12.27 RN4.8 RN63.8
/rs2[29]: P1.26 P2.26 P3.26 P4.26 P5.26 P6.26 P7.26 P8.26 P9.26 P10.26 P11.26 P12.26 RN5.5 RN62.5
/rs2[30]: P1.24 P2.24 P3.24 P4.24 P5.24 P6.24 P7.24 P8.24 P9.24 P10.24 P11.24 P12.24 RN5.6 RN62.6
/rs2[31]: P1.23 P2.23 P3.23 P4.23 P5.23 P6.23 P7.23 P8.23 P9.23 P10.23 P11.23 P12.23 RN5.7 RN62.7
/rs2a[0]: P1.147 P2.147 P3.147 P4.147 P5.147 P6.147 P7.147 P8.147 P9.147 P10.147 P11.147 P12.147 RN38.6 RN48.6
/rs2a[1]: P1.146 P2.146 P3.146 P4.146 P5.146 P6.146 P7.146 P8.146 P9.146 P10.146 P11.146 P12.146 RN38.5 RN48.5
/rs2a[2]: P1.145 P2.145 P3.145 P4.145 P5.145 P6.145 P7.145 P8.145 P9.145 P10.145 P11.145 P12.145 RN20.8 RN47.8
/rs2a[3]: P1.144 P2.144 P3.144 P4.144 P5.144 P6.144 P7.144 P8.144 P9.144 P10.144 P11.144 P12.144 RN20.7 RN47.7
/rs2a[4]: P1.143 P2.143 P3.143 P4.143 P5.143 P6.143 P7.143 P8.143 P9.143 P10.143 P11.143 P12.143 RN20.6 RN47.6
/~{alu_oe}: P1.187 P2.187 P3.187 P4.187 P5.187 P6.187 P7.187 P8.187 P9.187 P10.187 P11.187 P12.187 RN31.7 RN55.7
/~{BOOT_ALU_EN}: P1.193 P2.193 P3.193 P4.193 P5.193 P6.193 P7.193 P8.193 P9.193 P10.193 P11.193 P12.193 RN30.8 RN56.8
/~{BOOT_RST}: P1.195 P2.195 P3.195 P4.195 P5.195 P6.195 P7.195 P8.195 P9.195 P10.195 P11.195 P12.195 RN29.6 RN57.6
/~{BOOT_WR}: P1.196 P2.196 P3.196 P4.196 P5.196 P6.196 P7.196 P8.196 P9.196 P10.196 P11.196 P12.196 RN29.7 RN57.7
/~{rd_bhh}: P1.121 P2.121 P3.121 P4.121 P5.121 P6.121 P7.121 P8.121 P9.121 P10.121 P11.121 P12.121 RN24.6 RN43.6
/~{rd_bhl}: P1.122 P2.122 P3.122 P4.122 P5.122 P6.122 P7.122 P8.122 P9.122 P10.122 P11.122 P12.122 RN24.7 RN43.7